# Altium PCB sinking-clock_LED-PCB.PcbDoc (part 2 of 2)
Units mil, origin at the board's own origin, x right, y up, seen from the top; angles counter-clockwise.
Board outline 6158.12 x 3267.72 mil, 2 copper layers (Top Layer, Bottom Layer), stack 61.8 mil thick; 145 components, 146 nets, 488 pads, 172 vias.
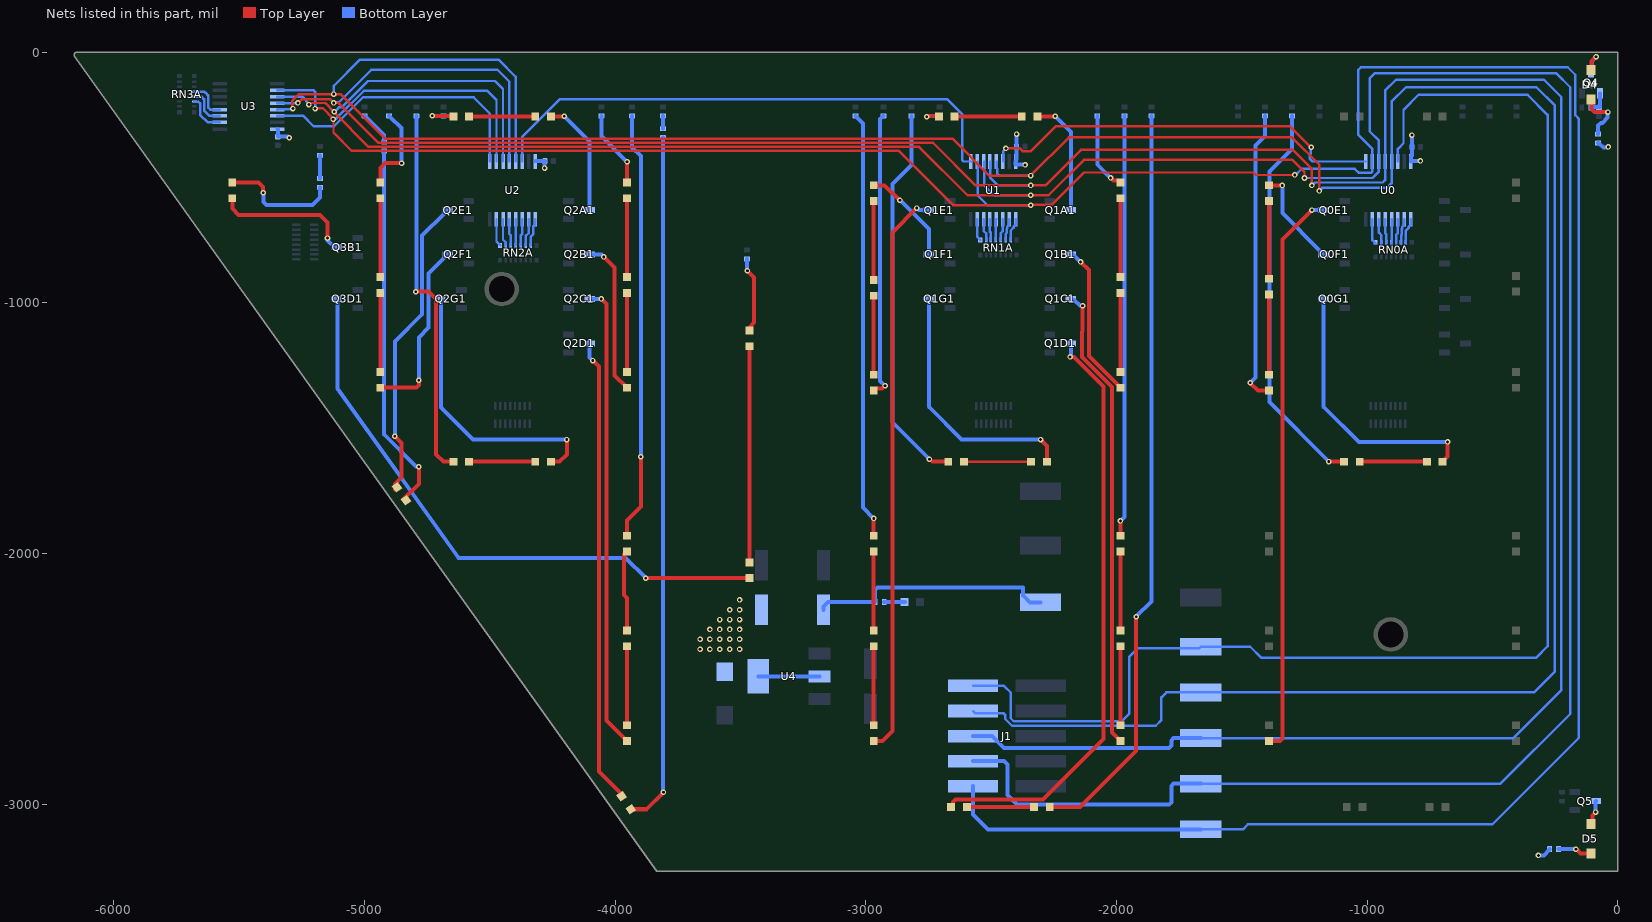
[diagram p2: the nets of this part, all layers, seen from the top]

## Via types
v1: diameter 22, hole 11, Top Layer to Bottom Layer, tented both sides, 172 vias

## Nets (pads, with @x,y where several pads share a name; then routed paths per layer and width w, separated by ;. In a path a pad name is that pad's centre, name@x,y a point inside that pad or via, vN(x,y) a via of type N, cw(c..) or ccw(c..) an arc to the next point about the centre after c; other vN are vias at no path point) (continued)
NetD0E3_2: D0E3.2 Q0E1.3 | length 2260.4
  Top Layer w16: D0E3.2@-1390.94,-2748.03 -1347.96,-2748.03 -1338.58,-2738.66 -1338.58,-748.03 v1(-1220.47,-629.92)
  Bottom Layer w16: v1(-1220.47,-629.92) Q0E1.3@-1174.02,-629.92
NetD0F1_1: D0F1.1 R0F2.1 | length 1177.6
  Top Layer w16: v1(-1466.54,-1318.9) -1435.59,-1349.84 D0F1.1@-1390.94,-1349.84
  Bottom Layer w16: v1(-1466.54,-1318.9) -1445,-1297.36 -1445,-372.17 -1407.48,-334.65 R0F2.1@-1407.48,-254.13
NetD0F1_2: D0F1.2 D0F2.1 | length 320.1
  Top Layer w16: D0F1.2@-1390.94,-1286.85 D0F2.1@-1390.94,-966.77
NetD0F2_2: D0F2.2 D0F3.1 | length 309.8
  Top Layer w16: D0F2.2@-1390.94,-903.78 D0F3.1@-1390.94,-593.93
NetD0F3_2: D0F3.2 Q0F1.3 | length 401.9
  Top Layer w16: D0F3.2@-1390.94,-530.94 -1390.66,-531.22 -1338.86,-531.22 v1(-1338.58,-531.5)
  Bottom Layer w16: v1(-1338.58,-531.5) -1338.58,-642.52 -1187.47,-793.63 -1187.47,-803.08 -1183.46,-807.09 Q0F1.3@-1174.02,-807.09
NetD0G1_1: D0G1.1 R0G2.1 | length 1575.6
  Top Layer w16: v1(-1153.23,-1633.34) -1152.97,-1633.6 -1092.97,-1633.6 D0G1.1@-1092.71,-1633.86
  Bottom Layer w16: R0G2.1@-1299.21,-254.13 -1299.21,-386.17 -1390,-476.96 -1390,-1395.43 -1153.23,-1632.2 v1(-1153.23,-1633.34)
NetD0G1_2: D0G1.2 D0G2.1 | length 267.7
  Top Layer w16: D0G1.2@-1029.72,-1633.86 D0G2.1@-762,-1633.86
NetD0G2_2: D0G2.2 Q0G1.3 | length 1070.4
  Top Layer w16: D0G2.2@-699.01,-1633.86 -679.13,-1613.98 v1(-679.13,-1555.12)
  Bottom Layer w16: Q0G1.3@-1174.02,-984.25 -1174.02,-1414.57 -1033.46,-1555.12 v1(-679.13,-1555.12)
NetD1A1_1: D1A1.1 R1A2.1 | length 101.8
  Top Layer w16: v1(-2757.16,-257.52) -2755.53,-257.52 -2753.04,-255.02 -2709.55,-255.02 D1A1.1@-2708.66,-255.91
  Bottom Layer w16: v1(-2757.16,-257.52) -2755.53,-257.52 -2752.15,-254.13 R1A2.1@-2706.69,-254.13
NetD1A1_2: D1A1.2 D1A2.1 | length 267.7
  Top Layer w16: D1A1.2@-2645.67,-255.91 D1A2.1@-2377.95,-255.91
NetD1A2_2: D1A2.2 Q1A1.3 | length 470.5
  Top Layer w16: D1A2.2@-2314.96,-255.91 v1(-2244.09,-255.91)
  Bottom Layer w16: v1(-2244.09,-255.91) -2182.28,-317.72 Q1A1.3@-2182.28,-629.92
NetD1B1_1: D1B1.1 R1B2.1 | length 316.5
  Top Layer w16: v1(-2023.62,-501.92) -2022,-501.92 -2011.98,-511.94 -1992,-511.94 D1B1.1@-1984.25,-519.69
  Bottom Layer w16: R1B2.1@-2076.77,-254.13 -2076.77,-448.77 v1(-2023.62,-501.92)
NetD1B1_2: D1B1.2 D1B2.1 | length 315
  Top Layer w16: D1B2.1@-1984.25,-897.64 D1B1.2@-1984.25,-582.68
NetD1B2_2: D1B2.2 D1B3.1 | length 315
  Top Layer w16: D1B3.1@-1984.25,-1275.59 D1B2.2@-1984.25,-960.63
NetD1B3_2: D1B3.2 Q1B1.3 | length 619.1
  Top Layer w16: v1(-2143.31,-836.61) -2110.42,-869.51 -2110.42,-1212.42 D1B3.2@-1984.25,-1338.58
  Bottom Layer w16: Q1B1.3@-2182.28,-807.09 -2172.83,-807.09 v1(-2143.31,-836.61)
NetD1C1_1: D1C1.1 R1C2.1 | length 1681.5
  Top Layer w16: D1C1.1@-1984.25,-1929.13 v1(-1984.25,-1870.08)
  Bottom Layer w16: v1(-1984.25,-1870.08) -1968.5,-1854.33 R1C2.1@-1968.5,-254.13
NetD1C1_2: D1C1.2 D1C2.1 | length 305.1
  Top Layer w16: D1C2.1@-1984.25,-2303.15 D1C1.2@-1984.25,-1998.03
NetD1C2_2: D1C2.2 D1C3.1 | length 315
  Top Layer w16: D1C3.1@-1984.25,-2685.04 D1C2.2@-1984.25,-2370.08
NetD1C3_2: D1C3.2 Q1C1.3 | length 1859.3
  Top Layer w16: v1(-2135.42,-1011.81) -2135.42,-1113.26 -2138.14,-1115.98 -2138.14,-1215.81 -2021.28,-1332.67 -2017.72,-1336.51 -2017.72,-2714.57 D1C3.2@-1984.25,-2748.03
  Bottom Layer w16: Q1C1.3@-2182.28,-984.25 -2178.28,-988.26 -2168.83,-988.26 -2146.42,-1010.66 -2136.56,-1010.66 v1(-2135.42,-1011.81)
NetD1D1_1: D1D1.1 R1D2.1 | length 2996.5
  Top Layer w16: D1D1.1@-2266.3,-3011.81 -2145.67,-3011.81 -1921.26,-2787.4 v1(-1921.26,-2251.97)
  Bottom Layer w16: v1(-1921.26,-2251.97) -1860.24,-2190.95 R1D2.1@-1860.24,-254.13
NetD1D1_2: D1D1.2 D1D2.1 | length 267.7
  Top Layer w16: D1D2.1@-2597.01,-3011.81 D1D1.2@-2329.3,-3011.81
NetD1D2_2: D1D2.2 Q1D1.3 | length 2372.5
  Top Layer w16: D1D2.2@-2660,-3011.81 -2652.26,-3004.06 -2652.26,-2991.44 -2642.88,-2982.06 -2293.09,-2982.06 -2051.68,-2740.65 -2051.68,-1334.15 -2168.87,-1216.95 -2183.89,-1216.95 v1(-2185.04,-1215.81)
  Bottom Layer w16: v1(-2185.04,-1215.81) -2185.04,-1214.18 -2182.28,-1211.43 Q1D1.3@-2182.28,-1161.42
NetD1E1_1: D1E1.1 R1E2.1 | length 1705.2
  Top Layer w16: D1E1.1@-2968.5,-1929.13 v1(-2968.5,-1860.24)
  Bottom Layer w16: R1E2.1@-3041.34,-254.13 -3011.81,-283.66 -3011.81,-1816.93 v1(-2968.5,-1860.24)
NetD1E1_2: D1E1.2 D1E2.1 | length 295.3
  Top Layer w16: D1E2.1@-2968.5,-2303.15 D1E1.2@-2968.5,-2007.87
NetD1E2_2: D1E2.2 D1E3.1 | length 315
  Top Layer w16: D1E3.1@-2968.5,-2685.04 D1E2.2@-2968.5,-2370.08
NetD1E3_2: D1E3.2 Q1E1.3 | length 2269.3
  Top Layer w16: D1E3.2@-2968.5,-2748.03 -2933.07,-2748.03 -2893.7,-2708.66 -2893.7,-718.5 v1(-2797.28,-622.09)
  Bottom Layer w16: v1(-2797.28,-622.09) -2795.66,-622.09 -2787.82,-629.92 Q1E1.3@-2748.82,-629.92
NetD1F1_1: D1F1.1 R1F2.1 | length 1144.7
  Top Layer w16: D1F1.1@-2968.5,-1349.84 -2960.76,-1342.09 -2936.14,-1342.09 -2924.85,-1330.81 v1(-2923.23,-1330.81)
  Bottom Layer w16: R1F2.1@-2929.79,-254.13 -2931.96,-254.13 -2933.6,-255.78 -2933.6,-257.94 -2942.91,-267.26 -2942.91,-1311.12 v1(-2923.23,-1330.81)
NetD1F1_2: D1F1.2 D1F2.1 | length 315
  Top Layer w16: D1F1.2@-2968.5,-1286.85 D1F2.1@-2968.5,-971.89
NetD1F2_2: D1F2.2 D1F3.1 | length 315
  Top Layer w16: D1F2.2@-2968.5,-908.9 D1F3.1@-2968.5,-593.94
NetD1F3_2: D1F3.2 Q1F1.3 | length 393.3
  Top Layer w16: D1F3.2@-2968.5,-530.94 -2968.23,-531.22 -2925.13,-531.22 -2865.8,-590.55 v1(-2864.17,-590.55)
  Bottom Layer w16: v1(-2864.17,-590.55) -2748.82,-705.91 Q1F1.3@-2748.82,-807.09
NetD1G1_1: D1G1.1 R1G2.1 | length 1541.2
  Top Layer w16: v1(-2746.06,-1624.02) -2744.44,-1624.02 -2734.6,-1633.86 D1G1.1@-2671.26,-1633.86
  Bottom Layer w16: R1G2.1@-2818.24,-254.13 -2818.24,-449.73 -2893.7,-525.19 -2893.7,-1476.38 v1(-2746.06,-1624.02)
NetD1G1_2: D1G1.2 D1G2.1 | length 267.7
  Top Layer w9.84: D1G1.2@-2608.27,-1633.86 D1G2.1@-2340.55,-1633.86
NetD1G2_2: D1G2.2 Q1G1.3 | length 1029.3
  Top Layer w16: v1(-2303.15,-1545.28) -2277.56,-1570.87 D1G2.2@-2277.56,-1633.86
  Bottom Layer w16: Q1G1.3@-2748.82,-984.25 -2748.82,-1414.57 -2618.11,-1545.28 v1(-2303.15,-1545.28)
NetD2A1_1: D2A1.1 R2A2.1 | length 129.1
  Top Layer w16: v1(-4729.54,-254.13) -4728.66,-255.02 -4646.55,-255.02 D2A1.1@-4645.67,-255.91
  Bottom Layer w16: v1(-4729.54,-254.13) R2A2.1@-4685.04,-254.13
NetD2A1_2: D2A1.2 D2A2.1 | length 263.8
  Top Layer w16: D2A1.2@-4582.68,-255.91 D2A2.1@-4318.9,-255.91
NetD2A2_2: D2A2.2 Q2A1.3 | length 469.1
  Top Layer w16: D2A2.2@-4255.91,-255.91 v1(-4202.76,-255.91)
  Bottom Layer w16: v1(-4202.76,-255.91) -4101.57,-357.09 Q2A1.3@-4101.57,-629.92
NetD2B1_1: D2B1.1 R2B2.1 | length 308
  Top Layer w16: D2B1.1@-3952.76,-519.69 v1(-3952.76,-437.62)
  Bottom Layer w16: R2B2.1@-4055.12,-254.13 -4055.12,-335.26 v1(-3952.76,-437.62)
NetD2B1_2: D2B1.2 D2B2.1 | length 315
  Top Layer w16: D2B2.1@-3952.76,-897.64 D2B1.2@-3952.76,-582.68
NetD2B2_2: D2B2.2 D2B3.1 | length 315
  Top Layer w16: D2B3.1@-3952.76,-1275.59 D2B2.2@-3952.76,-960.63
NetD2B3_2: D2B3.2 Q2B1.3 | length 620.4
  Top Layer w16: v1(-4045.28,-816.93) -4002.32,-859.89 -4002.32,-1289.02 D2B3.2@-3952.76,-1338.58
  Bottom Layer w16: Q2B1.3@-4101.57,-807.09 -4055.12,-807.09 v1(-4045.28,-816.93)
NetD2C1_1: D2C1.1 R2C2.1 | length 1712.1
  Top Layer w16: D2C1.1@-3952.76,-1929.13 -3952.76,-1867.77 -3897.64,-1812.65 v1(-3897.64,-1614.17)
  Bottom Layer w16: R2C2.1@-3932.09,-254.13 -3932.09,-379.5 -3897.64,-413.95 v1(-3897.64,-1614.17)
NetD2C1_2: D2C1.2 D2C2.1 | length 325.1
  Top Layer w16: D2C2.1@-3952.76,-2307.09 -3952.76,-2177.6 -3965,-2165.36 -3965,-2004.37 D2C1.2@-3952.76,-1992.13
NetD2C2_2: D2C2.2 D2C3.1 | length 315
  Top Layer w16: D2C3.1@-3952.76,-2685.04 D2C2.2@-3952.76,-2370.08
NetD2C3_2: D2C3.2 Q2C1.3 | length 1852.6
  Top Layer w16: v1(-4055.12,-984.25) -4035.43,-1003.94 -4035.43,-2665.35 D2C3.2@-3952.76,-2748.03
  Bottom Layer w16: Q2C1.3@-4101.57,-984.25 v1(-4055.12,-984.25)
NetD2D1_1: D2D1.1 R2D2.1 | length 2770.8
  Top Layer w16: D2D1.1@-3938.12,-3020.29 -3875.17,-3020.29 v1(-3807.64,-2952.76)
  Bottom Layer w16: R2D2.1@-3809.06,-340.94 -3809.06,-2949.72 -3807.64,-2951.13 v1(-3807.64,-2952.76)
NetD2D1_2: D2D1.2 Q2D1.3 | length 1860
  Top Layer w16: v1(-4088.98,-1230.32) -4064.96,-1254.33 -4064.96,-2868.8 -3974.25,-2959.51 D2D1.2@-3974.25,-2968.69
  Bottom Layer w16: Q2D1.3@-4101.57,-1161.42 -4101.57,-1217.72 v1(-4088.98,-1230.32)
NetD2E1_1: D2E1.1 R2E2.1 | length 1477.6
  Top Layer w16: D2E1.1@-4844.32,-1783.3 -4783.46,-1722.44 v1(-4783.46,-1653.54)
  Bottom Layer w16: R2E2.1@-4921.26,-393.7 -4921.26,-1525.59 -4794.45,-1652.4 -4784.61,-1652.4 v1(-4783.46,-1653.54)
NetD2E1_2: D2E1.2 Q2E1.3 | length 1229.8
  Top Layer w16: D2E1.2@-4878.98,-1744.6 -4879.16,-1744.41 -4879.16,-1722.63 -4852.36,-1695.83 -4852.36,-1559.13 v1(-4878.98,-1532.52)
  Bottom Layer w16: v1(-4878.98,-1532.52) -4878.98,-1154.07 -4770.44,-1045.53 -4770.44,-732.25 -4681.57,-643.38 -4681.57,-633.93 -4677.56,-629.92 Q2E1.3@-4668.11,-629.92
NetD2F1_1: D2F1.1 R2F2.1 | length 364.7
  Top Layer w16: D2F1.1@-4937.01,-519.69 -4937.01,-462.6 -4917.32,-442.91 v1(-4852.36,-442.91) -4852.36,-444.54 v1@-4850.39,-446.51
  Bottom Layer w16: R2F2.1@-4901.57,-254.13 -4899.41,-254.13 -4897.76,-255.78 -4897.76,-257.94 -4852.36,-303.35 v1(-4852.36,-442.91)
NetD2F1_2: D2F1.2 D2F2.1 | length 315
  Top Layer w16: D2F2.1@-4937.01,-897.64 D2F1.2@-4937.01,-582.68
NetD2F2_2: D2F2.2 D2F3.1 | length 315
  Top Layer w16: D2F3.1@-4937.01,-1275.59 D2F2.2@-4937.01,-960.63
NetD2F3_2: D2F3.2 Q2F1.3 | length 727.1
  Top Layer w16: D2F3.2@-4937.01,-1338.58 -4793.31,-1338.58 -4783.46,-1328.74 v1(-4783.46,-1309.06)
  Bottom Layer w16: v1(-4783.46,-1309.06) -4783.46,-1137.72 -4744.09,-1098.35 -4744.09,-883.07 Q2F1.3@-4668.11,-807.09
NetD2G1_1: D2G1.1 R2G2.1 | length 1495.9
  Top Layer w16: v1(-4795.44,-955.32) -4743.91,-955.32 -4714.57,-984.66 -4714.57,-1604.33 -4685.04,-1633.86 D2G1.1@-4645.67,-1633.86
  Bottom Layer w16: v1(-4795.44,-955.32) -4795.44,-953.69 -4793.31,-951.56 R2G2.1@-4793.31,-254.13
NetD2G1_2: D2G1.2 D2G2.1 | length 263.8
  Top Layer w16: D2G1.2@-4582.68,-1633.86 D2G2.1@-4318.9,-1633.86
NetD2G2_2: D2G2.2 Q2G1.3 | length 1118.6
  Top Layer w16: D2G2.2@-4255.91,-1633.86 -4222.44,-1633.86 -4192.91,-1604.33 v1(-4192.91,-1545.28)
  Bottom Layer w16: Q2G1.3@-4695.57,-988.26 -4695.57,-1416.64 -4566.93,-1545.28 v1(-4192.91,-1545.28)
NetD3B1_1: D3B1.1 R3B2.1 | length 475.2
  Top Layer w16: D3B1.1@-5527.56,-519.69 -5423.02,-519.69 -5404.69,-538.01 -5404.69,-559.88 v1(-5403.54,-561.02)
  Bottom Layer w16: v1(-5403.54,-561.02) -5403.54,-597.01 -5390.32,-610.24 -5206.69,-610.24 -5177.17,-580.71 R3B2.1@-5177.17,-539.57
NetD3B1_2: D3B1.2 Q3B1.3 | length 563.2
  Top Layer w16: D3B1.2@-5527.56,-582.68 -5527.56,-624.02 -5501.97,-649.61 -5177.17,-649.61 -5147.64,-679.13 v1(-5147.64,-741.54)
  Bottom Layer w16: v1(-5147.64,-741.54) -5147.64,-750.39 -5120.47,-777.56 Q3B1.3@-5111.02,-777.56
NetD3D1_1: D3D1.1 R3D2.1 | length 293.3
  Top Layer w16: v1(-3472.37,-872.29) -3445.31,-899.35 -3445.31,-1078.99 D3D1.1@-3464.57,-1098.25
  Bottom Layer w16: R3D2.1@-3474.51,-825 -3474.51,-868.52 -3472.37,-870.66 v1(-3472.37,-872.29)
NetD3D1_2: D3D1.2 D3D2.1 | length 862.2
  Top Layer w16: D3D2.1@-3464.57,-2035.43 D3D1.2@-3464.57,-1173.23
NetD3D2_2: D3D2.2 Q3D1.3 | length 2383.9
  Top Layer w16: v1(-3877.95,-2098.43) -3466.53,-2098.42 D3D2.2@-3464.57,-2096.46
  Bottom Layer w16: Q3D1.3@-5111.02,-984.25 -5108.27,-987.01 -5108.27,-1340.18 -4624.79,-2017.72 -3958.66,-2017.72 v1(-3877.95,-2098.43)
NetD4_1: D4.1 R6.2 | length 216.4
  Top Layer w16: D4.1@-107.08,-188.98 -105.24,-190.82 -105.24,-226.38 -92.56,-239.06 v1(-39.66,-239.06)
  Bottom Layer w16: R6.2@-78.74,-326.57 -78.74,-292.93 -67.57,-281.76 -61.3,-281.76 -40.81,-261.26 -40.81,-240.21 v1(-39.66,-239.06)
NetD4_2: D4.2 Q4.3 | length 131.6
  Top Layer w16: D4.2@-107.08,-70.87 -105.24,-69.02 -105.24,-36.55 v1(-86.61,-17.93)
  Bottom Layer w16: Q4.3@-106.3,-79.92 -102.29,-75.91 -102.29,-35.23 -86.61,-19.55 v1(-86.61,-17.93)
NetD5_1: D5.1 R7.2 | length 136.3
  Top Layer w16: v1(-167.32,-3179.53) -165.7,-3179.53 -148.7,-3196.53 -107.4,-3196.53 D5.1@-107.08,-3196.85
  Bottom Layer w16: R7.2@-236.22,-3179.53 v1(-167.32,-3179.53)
NetD5_2: D5.2 Q5.3 | length 98.5
  Top Layer w16: D5.2@-107.08,-3078.74 -100.97,-3072.63 -100.97,-3045.51 -88.58,-3033.12 v1(-88.58,-3031.5)
  Bottom Layer w16: v1(-88.58,-3031.5) -88.19,-3031.1 -88.19,-2988.58 Q5.3@-87.8,-2988.19
NetD6_1: D6.1 R8.1 | length 82.3
  Bottom Layer w16: R8.1@-2926.77,-2192.91 D6.1@-2844.49,-2192.91
NetQ4_1: Q4.1 R9.2 R10.2 | length 92.9
  Bottom Layer w16: R10.2@-108.07,-220.47 -108.07,-219.54 -106.43,-217.89 R9.2@-75.94,-217.89 ; R9.2@-75.94,-218.8 -72.13,-218.8 -72.13,-211.28 -70.28,-209.42 Q4.1@-70.28,-164.17
NetR2D1_1: R2D1.1 R2D2.2 | length 51
  Bottom Layer w16: R2D2.2@-3809.06,-305.12 R2D1.1@-3809.06,-254.13
NetR2E1_1: R2E1.1 R2E2.2 | length 137.6
  Bottom Layer w16: R2E1.1@-5000,-254.13 -4997.83,-254.13 -4921.26,-330.71 R2E2.2@-4921.26,-357.87
NetR3B1_1: R3B1.1 R3B2.2 | length 92.1
  Bottom Layer w16: R3B2.2@-5177.17,-503.74 R3B1.1@-5177.17,-411.61
NetRN0A_9: RN0A.9 U0.7 | length 102.9
  Bottom Layer w9.84: U0.7@-979.35,-666.18 -979.35,-749.85 -966.8,-762.4 RN0A.9@-966.8,-763.87
NetRN0A_10: RN0A.10 U0.6 | length 101.7
  Bottom Layer w9.84: U0.6@-953.35,-666.18 -953.35,-719.84 -943.69,-729.5 RN0A.10@-943.69,-763.87
NetRN0A_11: RN0A.11 U0.5 | length 99.5
  Bottom Layer w9.84: U0.5@-928.35,-666.18 -928.35,-722.43 -924.01,-726.78 RN0A.11@-924.01,-763.87
NetRN0A_12: RN0A.12 U0.4 | length 98.5
  Bottom Layer w9.84: RN0A.12@-904.32,-763.87 -904.32,-758.95 -902.35,-756.98 U0.4@-902.35,-666.18
NetRN0A_13: RN0A.13 U0.3 | length 100.7
  Bottom Layer w9.84: RN0A.13@-884.64,-763.87 -884.64,-728.25 -877.35,-720.96 U0.3@-877.35,-666.18
NetRN0A_14: RN0A.14 U0.2 | length 103.3
  Bottom Layer w9.84: RN0A.14@-864.95,-763.87 -864.95,-731.41 -861.51,-727.96 -861.51,-705.38 -859.43,-703.3 -859.43,-696.26 -851.35,-688.18 U0.2@-851.35,-666.18
NetRN0A_15: RN0A.15 U0.1 | length 106.1
  Bottom Layer w9.84: RN0A.15@-845.27,-763.87 -845.27,-711.54 -833.43,-699.7 -833.43,-696.03 -827.67,-690.26 -827.43,-690.26 -825.35,-688.18 U0.1@-825.35,-666.18
NetRN1A_9: RN1A.9 U1.7 | length 89.1
  Bottom Layer w9.84: U1.7@-2556.13,-666.18 -2556.13,-736.06 -2543.57,-748.61 RN1A.9@-2543.57,-750.08
NetRN1A_10: RN1A.10 U1.6 | length 87.9
  Bottom Layer w9.84: U1.6@-2530.13,-666.18 -2530.13,-712.94 -2520.46,-722.6 RN1A.10@-2520.46,-750.08
NetRN1A_11: RN1A.11 U1.5 | length 85.7
  Bottom Layer w9.84: U1.5@-2505.13,-666.18 -2505.13,-715.54 -2500.78,-719.88 RN1A.11@-2500.78,-750.08
NetRN1A_12: RN1A.12 U1.4 | length 84.7
  Bottom Layer w9.84: RN1A.12@-2481.09,-750.08 -2481.09,-668.15 U1.4@-2479.13,-666.18
NetRN1A_13: RN1A.13 U1.3 | length 86.9
  Bottom Layer w9.84: RN1A.13@-2461.41,-750.08 -2461.41,-721.35 -2454.13,-714.07 U1.3@-2454.13,-666.18
NetRN1A_14: RN1A.14 U1.2 | length 89.5
  Bottom Layer w9.84: RN1A.14@-2441.72,-750.08 -2441.72,-724.51 -2438.28,-721.07 -2438.28,-705.38 -2436.2,-703.3 -2436.2,-696.26 -2428.13,-688.18 U1.2@-2428.13,-666.18
NetRN1A_15: RN1A.15 U1.1 | length 92.3
  Bottom Layer w9.84: RN1A.15@-2422.04,-750.08 -2422.04,-711.54 -2410.2,-699.71 -2410.2,-696.03 -2404.44,-690.26 -2404.2,-690.26 -2402.13,-688.18 U1.1@-2402.13,-666.18
NetRN2A_9: RN2A.9 U2.7 | length 110.9
  Bottom Layer w9.84: U2.7@-4473.45,-666.18 -4473.45,-755.07 -4458.93,-769.59 RN2A.9@-4458.93,-771.06
NetRN2A_10: RN2A.10 U2.6 | length 109.7
  Bottom Layer w9.84: U2.6@-4447.45,-666.18 -4447.45,-748.13 -4435.82,-759.76 RN2A.10@-4435.82,-771.06
NetRN2A_11: RN2A.11 U2.5 | length 107.5
  Bottom Layer w9.84: U2.5@-4422.45,-666.18 -4422.45,-725.04 -4416.13,-731.36 RN2A.11@-4416.13,-771.06
NetRN2A_12: RN2A.12 U2.4 | length 104.9
  Bottom Layer w9.84: RN2A.12@-4396.45,-771.06 U2.4@-4396.45,-666.18
NetRN2A_13: RN2A.13 U2.3 | length 107.1
  Bottom Layer w9.84: RN2A.13@-4376.76,-771.06 -4376.76,-730.86 -4371.45,-725.54 U2.3@-4371.45,-666.18
NetRN2A_14: RN2A.14 U2.2 | length 109.7
  Bottom Layer w9.84: RN2A.14@-4357.08,-771.06 -4357.08,-734.02 -4345.45,-722.39 U2.2@-4345.45,-666.18
NetRN2A_15: RN2A.15 U2.1 | length 112.5
  Bottom Layer w9.84: RN2A.15@-4337.39,-771.06 -4337.39,-736.74 -4327.53,-726.87 -4327.53,-696.03 -4321.76,-690.26 -4321.53,-690.26 -4319.45,-688.18 U2.1@-4319.45,-666.18
NetRN3A_12: RN3A.12 U3.4 | length 159.9
  Bottom Layer w10: RN3A.12@-5679.13,-157.48 -5639.76,-157.48 -5634.71,-162.54 -5633.14,-162.54 -5623.59,-172.08 -5623.59,-220.71 -5614.79,-229.51 U3.4@-5577.6,-229.54
NetRN3A_13: RN3A.13 U3.3 | length 159.7
  Bottom Layer w10: RN3A.13@-5679.13,-177.17 -5650.98,-177.17 -5639.59,-188.55 -5639.59,-233.19 -5618.27,-254.51 U3.3@-5577.6,-254.54
NetRN3A_14: RN3A.14 U3.2 | length 162.7
  Bottom Layer w10: RN3A.14@-5679.13,-196.85 -5679.06,-196.93 -5663.27,-196.93 -5655.59,-204.61 -5655.59,-249.92 -5624.98,-280.54 U3.2@-5577.6,-280.54
NetU0_9: U0.9 U1.14 | length 1634.3
  Top Layer w9.84: v1(-2440.94,-383.86) -2385.19,-383.86 -2373.11,-395.94 -2342.36,-395.94 -2241.42,-295 -1309.89,-295 -1225.99,-378.9 v1(-1222.7,-378.9)
  Bottom Layer w9.84: U1.14@-2452.16,-436.18 -2452.16,-395.24 -2440.94,-384.03 v1(-2440.94,-383.86) ; v1(-1222.7,-378.9) -1225.02,-381.23 -1225.02,-404.64 -1229.97,-409.59 -1229.97,-423.57 -1217.36,-436.18 U0.9@-1005.35,-436.18
NetU1_9: U1.9 U2.14 | length 2162.2
  Bottom Layer w9.84: U2.14@-4371.45,-436.18 -4371.45,-338.98 -4219.48,-187.01 -2675.69,-187.01 -2615.87,-246.83 -2615.87,-430.42 -2610.11,-436.18 U1.9@-2580.16,-436.18
NetU2_9: U2.9 U3.14 | length 1132
  Bottom Layer w9.84: U3.14@-5347.6,-254.54 -5346.02,-252.95 -5245.56,-252.95 -5203.02,-295.49 -5121.46,-295.49 -5005.97,-180 -4565.05,-180 -4499.45,-245.6 U2.9@-4499.45,-436.18
SHIFT_DATA_CLK: J1.8 TP6.1 U0.11 U1.11 U2.11 U3.11 | length 12432.5
  Top Layer w9.84: v1(-5221.52,-208.93) -5218.23,-208.93 -5212.15,-202.85 -5156.13,-202.85 v1(-5120.98,-238) ; v1@-5122.34,-239.36 -4983.85,-377.86 -2787.14,-377.86 -2594.13,-570.87 v1(-2342.37,-570.87) -2270.87,-570.87 -2130,-430 -1298.19,-430 -1250,-478.19 v1(-1250,-501.97)
  Bottom Layer w9.84: U3.11@-5347.6,-178.54 -5245.61,-178.54 -5233.1,-191.04 -5233.1,-194.05 -5221.52,-205.64 v1(-5221.52,-208.93) ; v1(-5120.98,-238) -5119.8,-238 -5102.17,-220.37 -5091.15,-220.37 -4985.78,-115 -4480,-115 -4447.45,-147.55 U2.11@-4447.45,-436.18 ; U1.11@-2528.16,-436.18 -2528.05,-436.29 -2528.05,-531.12 -2488.3,-570.87 v1(-2342.37,-570.87) ; TP6.1@-1663.39,-2918.31 -468.31,-2918.31 -190,-2640 -190,-140 -245,-85 -970,-85 -990,-105 -990,-315.67 -953.35,-352.31 -953.35,-476.72 -978.6,-501.97 v1(-1250,-501.97)
  Bottom Layer w16: J1.8@-2572.01,-2828.35 -2449.76,-2828.35 -2435.49,-2842.62 -2435.49,-2962.6 -2396.12,-3001.97 -1791.09,-3001.97 -1781.5,-2992.38 -1781.5,-2927.68 -1772.12,-2918.31 TP6.1@-1663.39,-2918.31
SHIFT_DATA_IN: J1.2 TP3.1 U0.14 | length 5671.2
  Bottom Layer w9.84: J1.2@-2572.01,-2528.35 -2448.82,-2528.35 -2422.01,-2555.15 -2422.01,-2657.46 -2409.84,-2669.64 -1980.66,-2669.64 -1948.82,-2637.8 -1948.82,-2411.42 -1916.13,-2378.72 -1670.06,-2378.72 TP3.1@-1663.39,-2372.05 -1466.54,-2372.05 -1423.58,-2415 -325,-2415 -280,-2370 -280,-250 -360,-170 -795,-170 -855,-230 -855,-363.44 -877.35,-385.8 U0.14@-877.35,-436.18
SHIFT_MCLR: J1.10 TP7.1 U0.10 U1.10 U2.10 U3.10 | length 12698.5
  Top Layer w9.84: v1(-5197.31,-224.77) -5195.89,-223.36 -5166.62,-223.36 -5125.3,-264.68 v1(-5125.3,-267.41) ; v1@-5124.12,-265.86 -5123.75,-265.86 -5123.75,-320.81 -5050.86,-393.7 -2868.44,-393.7 -2651.91,-610.24 v1(-2342.52,-610.24) -2341.84,-609.56 -2259.56,-609.56 -2130,-480 -1453.13,-480 -1443.16,-489.97 v1(-1289.37,-489.97)
  Bottom Layer w9.84: U3.10@-5347.6,-152.54 -5203.07,-152.54 -5197.31,-158.3 v1(-5197.31,-224.77) ; v1(-5125.3,-267.41) -5122.97,-265.08 -5113.46,-265.08 -5003.01,-154.63 -4509.82,-154.63 -4473.45,-191 U2.10@-4473.45,-436.18 ; U1.10@-2554.16,-436.18 -2554.05,-436.29 -2554.05,-570.87 -2514.17,-610.74 -2388.73,-610.74 -2388.22,-610.24 v1(-2342.52,-610.24) ; TP7.1@-1663.39,-3100.39 -1496.06,-3100.39 -1475.67,-3080 -500,-3080 -155,-2735 -155,-266.26 -170,-251.26 -170,-90 -200,-60 -1025,-60 -1035,-70 -1035,-330.15 -979.35,-385.8 -979.35,-476.07 -985.12,-481.84 -1033.1,-481.84 -1049.94,-465 -1261.11,-465 -1286.08,-489.97 v1(-1289.37,-489.97)
  Bottom Layer w16: J1.10@-2572.01,-2928.35 -2572.01,-3041.34 -2512.95,-3100.39 TP7.1@-1663.39,-3100.39
SHIFT_OUTPUT_EN: J1.4 TP4.1 U0.13 U1.13 U2.13 U3.13 | length 11991.3
  Top Layer w9.84: v1(-5285.43,-225.23) -5287.67,-223 -5287.67,-193.54 -5261.45,-167.32 v1(-5122.61,-167.32) -5095.3,-167.32 -4917.62,-345 -2655,-345 -2507.87,-492.13 v1(-2342.37,-492.13) -2190.24,-340 -1299.13,-340 -1190.94,-448.19 v1(-1190.94,-553.42)
  Bottom Layer w9.84: U3.13@-5347.6,-229.54 -5345.52,-227.46 -5287.66,-227.46 v1(-5285.43,-225.23) ; v1(-5122.61,-167.32) -5122.61,-134.72 -5017.89,-30 -4465,-30 -4396.45,-98.55 U2.13@-4396.45,-436.18 ; J1.4@-2572.01,-2628.35 -2562.37,-2637.98 -2450.19,-2637.98 -2444.42,-2643.75 -2444.42,-2659.18 -2416.59,-2687.01 -1843.5,-2687.01 -1820.87,-2664.37 -1820.87,-2573.82 -1801.18,-2554.13 TP4.1@-1663.39,-2554.13 -334.9,-2554.13 -250.99,-2470.22 -250.99,-213.45 -324.43,-140 -845,-140 -902.35,-197.35 U0.13@-902.35,-436.18 -902.35,-522.35 -921.13,-541.13 -1178.65,-541.13 v1(-1190.94,-553.42) ; U1.13@-2477.16,-436.18 -2477.05,-436.29 -2477.05,-464.06 -2475.08,-466.03 -2475.08,-485.04 -2467.99,-492.13 v1(-2342.37,-492.13)
SHIFT_STORE_CLK: J1.6 TP5.1 U0.12 U1.12 U2.12 U3.12 | length 12011.9
  Top Layer w9.84: v1(-5265.75,-202.62) -5250.13,-187.01 -5138.23,-187.01 v1(-5122.61,-202.62) -5103.24,-202.62 -4943.85,-362.02 -2731.25,-362.02 -2561.77,-531.5 -2283.5,-531.5 -2142,-390 -1296.12,-390 -1220.47,-465.64 v1(-1220.47,-531.5)
  Bottom Layer w9.84: U3.12@-5347.6,-203.54 -5347.14,-203.08 -5266.2,-203.08 v1(-5265.75,-202.62) ; v1(-5122.61,-202.62) -5120.29,-200.3 -5102.89,-200.3 -4972.59,-70 -4470,-70 -4422.45,-117.55 U2.12@-4422.45,-436.18 ; U1.12@-2503.16,-436.18 -2503.16,-460.15 -2503.05,-460.26 -2503.05,-501.95 -2473.5,-531.5 v1(-2342.37,-531.5) ; TP5.1@-1663.39,-2736.22 -416.22,-2736.22 -225,-2545 -225,-180 -295,-110 -885,-110 -928.35,-153.35 U0.12@-928.35,-436.18 -928.35,-510.71 -937.65,-520 -1208.63,-520 -1220.12,-531.5 v1(-1220.47,-531.5)
  Bottom Layer w16: J1.6@-2572.01,-2728.35 -2497.01,-2728.35 -2449.76,-2775.59 -1790.87,-2775.59 -1781.5,-2766.22 -1781.5,-2746.06 -1771.65,-2736.22 TP5.1@-1663.39,-2736.22
VCC: C2.1 C3.1 C4A.2 C4B.2 C4C.2 C4D.1 D1.A R6.1 R7.1 R8.2 TP2.1 U0.16 U1.16 U2.16 U3.16 U4.2 U4.4 | length 1774.6
  Bottom Layer w16: U3.16@-5347.6,-306.54 -5346.52,-306.54 -5345.52,-307.54 -5345.52,-336.41 -5346.02,-336.91 C4D.1@-5345.52,-337.4 -5304.21,-337.4 v1(-5300.03,-341.58) ; U2.16@-4318.37,-434.51 -4318.26,-434.4 -4315.25,-434.4 -4314.96,-434.1 C4C.2@-4280.79,-434.1 -4281.14,-434.45 -4281.14,-462.25 v1(-4281.5,-462.6) ; U4.4@-3429.13,-2490.16 U4.2@-3185.04,-2490.16 ; C2.1@-3169.29,-2224.41 -3169.29,-2210.91 -3151.29,-2192.91 R8.2@-2962.6,-2192.91 -2962.6,-2145.2 -2953.23,-2135.83 -2372.05,-2135.83 -2372.05,-2167.45 -2344.61,-2194.88 TP2.1@-2303.15,-2194.88 ; U1.16@-2402.13,-436.18 -2402.13,-447.65 -2401.13,-448.65 -2366.11,-448.65 v1(-2364.96,-449.8) ; U1.16@-2398.82,-428.38 C4B.2@-2398.82,-376.97 v1(-2398.82,-326.77) ; U0.16@-825.35,-436.18 -825.35,-434.07 -825.35,-416.18 -821.26,-412.09 C4A.2@-821.26,-377.95 v1(-821.26,-330.71) ; U0.16@-825.32,-434.1 v1(-787.4,-434.1) ; v1(-316.8,-3204.72) -295.08,-3204.72 -272.05,-3181.69 R7.1@-272.05,-3179.53 ; R6.1@-78.74,-362.4 -77.09,-364.05 -74.93,-364.05 -57.99,-380.99 -42.44,-380.99 -39.66,-378.2 v1(-38.03,-378.2)
  other v1: -3661.42,-2381.89 -3622.05,-2381.89 -3582.68,-2381.89 -3543.31,-2381.89 -3503.94,-2381.89 -3661.42,-2342.52 -3622.05,-2342.52 -3582.68,-2342.52 -3543.31,-2342.52 -3503.94,-2342.52 -3622.05,-2303.15 -3582.68,-2303.15 -3543.31,-2303.15 -3503.94,-2303.15 -3582.68,-2263.78 -3543.31,-2263.78 -3503.94,-2263.78 -3543.31,-2224.41 -3503.94,-2224.41 -3503.94,-2185.04
pads on no net: D4.M1 D5.M1 RN0A.1 RN0A.16 RN0B.8 RN0B.9 RN1A.1 RN1A.16 RN1B.8 RN1B.9 RN2A.1 RN2A.16 RN2B.8 RN2B.9 RN3A.1 RN3A.2 RN3A.6 RN3A.7 RN3A.8 RN3A.9 RN3A.10 RN3A.11 RN3A.15 RN3A.16 RN3B.1 RN3B.4 RN3B.5 RN3B.6 RN3B.7 RN3B.8 RN3B.9 RN3B.10 RN3B.11 RN3B.12 RN3B.13 RN3B.16 U0.15 U1.15 U2.15 U3.1 U3.5 U3.6 U3.7 U3.9 U3.15

## Polygon pours and split planes (outlines as drawn)
GND on Bottom Layer "Bottom Layer GND" (solid, pour order 31): -3834.65,-3267.72 -6157.48,-15.75 cw(c-6145.67,-11.81) -6149.61,0 0,0 0,-3267.72
+12 on Bottom Layer "Bottom Layer-+12" (solid, pour order 23): -2834.65,-2736.22 -2716.54,-2618.11 -2716.54,-2549.21 -2657.48,-2490.16 -2400,-2490.16 -2400,-2647.64 -2043.24,-2647.64 -2043.24,-2356.36 -2096.46,-2303.15 -2775.59,-2303.15 -2824.8,-2352.36 -2824.8,-2480.31 -2893.7,-2549.21 -2992.13,-2549.21 -3681.1,-2549.21 -3681.1,-2736.22
VCC on Bottom Layer "Bottom Layer VCC" (solid, pour order 27): -3267.72,-2559.06 -3208.66,-2500 -3208.66,-2470.47 -3228.35,-2470.47 -3274.8,-2424.02 -3274.8,-2312.99 -3255.12,-2293.31 -3129.92,-2293.31 -3120.08,-2283.46 -3120.08,-2165.35 -3139.76,-2145.67 -3503.94,-2145.67 -3681.1,-2322.83 -3681.1,-2559.06 -3385.83,-2559.06
VCC on Top Layer "Top Layer VCC" (solid, pour order 34): -3834.65,-3267.72 -6157.48,-15.75 cw(c-6145.67,-11.81) -6149.61,0 0,0 0,-3267.72
GND on Top Layer "Top Layer GND BEEF" (solid, pour order 18): -1820.87,-2962.6 -1801.18,-2942.91 -1801.18,-2263.78 -1820.87,-2244.09 -1881.89,-2244.09 -1899.61,-2261.81 -1899.61,-2942.91 -1879.92,-2962.6
+12 on Top Layer "Top Layer +12" (solid, pour order 28): -3200.79,-3179.13 -3049.37,-3179.13 -3004.09,-3224.41 -330.87,-3224.41 -330.87,-3196.85 -43.46,-2909.45 -43.46,-318.9 -354.49,-7.87 -5027.72,-7.87 -5027.72,-223.36 -4650.68,-223.36 -4614.33,-187.01 -4082.83,-187.01 -4082.83,-226.38 -3767.87,-226.38 -3767.87,-187.01 -3049.37,-187.01 -3049.37,-226.38 -2675.35,-226.38 -2675.35,-187.01 -2094.65,-187.01 -2094.65,-226.38 -1819.06,-226.38 -1819.06,-187.01 -1523.78,-187.01 -1523.78,-226.38 -1159.61,-226.38 -1159.61,-187.01 -628.11,-187.01 -628.11,-226.38 -563.61,-226.38 -271.81,-518.17 -271.81,-2870.08 -437.17,-3035.43 -3039.53,-3035.43 -3039.53,-2566.93 -3041.5,-2568.9 -3200.79,-2568.9 -3200.79,-2818.9 -3200.79,-2842.52

## Silkscreen, mask and mechanical layers (free items; w line width, h text height)
Bottom Overlay:
  drawing of 627 lines, arcs and shapes, not listed
  text "S/N" at -1252.67,-431.09 h150
  text "NOTES" at -1241.5,-1033.81 h150
  text "Sinking Clock - LED PCB / Mk. III / Mark Hofmeister / HofLab, 5/2024" at -2736.65,-1740.83 h118.11
  text "GND" at -2431.1,-1776.47 h78.74
  text "+12V" at -2435.04,-1993 h78.74
  text "GND" at -1356.93,-2204.72 h78.74
  text "<---VCC--->" at -2440.94,-2213.68 h60
  text "SHIFT_DATA_IN" at -1003.94,-2401.57 h78.74
  text "SHIFT_OUTPUT_EN" at -886.26,-2588.58 h78.74
  text "SHIFT_STORE_CLK" at -897.96,-2775.59 h78.74
  text "SHIFT_DATA_CLK" at -935.04,-2955.92 h78.74
  text "BRAIN PCB PWR + DATA" at -2773.55,-3127.47 h78.74 r270
  text "SHIFT_MCLR" at -1103.2,-3139.76 h78.74
Outline:
  the board outline again, w10
Digit Outlines:
  lines w10: -5592.52,-783.46 -5592.52,-472.44 -5474.41,-354.33 -5474.41,-944.88 ; -4087.11,-1692.91 -4183.07,-1692.91 -4645.67,-1692.91 -4753.94,-1692.91 -4822.83,-1624.02 -4734.25,-1535.43 -4645.67,-1535.43 -4171.26,-1535.43 -4082.68,-1535.43 -4000,-1618.11 -4074.8,-1692.91 ; -4005.91,-1777.17 -3976.38,-1747.64 -3868.11,-1639.37 -3868.11,-2903.54 -4005.91,-2765.75 -4005.91,-1776.57 ; -2157.97,-1702.76 -2253.94,-1702.76 -2716.54,-1702.76 -2824.8,-1702.76 -2893.7,-1633.86 -2805.12,-1545.28 -2716.54,-1545.28 -2242.13,-1545.28 -2153.54,-1545.28 -2070.87,-1627.95 -2145.67,-1702.76 ; -2086.61,-482.87 -2086.61,-462.6 -1948.82,-324.8 -1948.82,-1427.76 -1977.76,-1427.76 -2086.61,-1318.9 -2086.61,-482.28 ; -501.97,-473.03 -472.44,-443.5 -364.17,-335.24 -364.17,-1417.91 -393.11,-1417.91 -501.97,-1309.06 -501.97,-472.44 ; -492.13,-1895.28 -462.6,-1865.75 -354.33,-1757.48 -354.33,-2840.16 -383.27,-2840.16 -492.13,-2731.3 -492.13,-1894.69 ; -3858.27,-167.32 -3858.27,-167.32 ; -3858.27,-167.32 -3996.06,-305.12 -4803.15,-305.12 -4832.68,-275.59 -4940.94,-167.32 -3858.27,-167.32 ; -1929.13,-167.32 -1929.13,-167.32 ; -1929.13,-167.32 -3011.81,-167.32 -2903.54,-275.59 -2874.02,-305.12 -2066.93,-305.12 -1929.13,-167.32 ; -344.49,-167.32 -344.49,-167.32 ; -344.49,-167.32 -482.28,-305.12 -1289.37,-305.12 -1318.9,-275.59 -1427.17,-167.32 -344.49,-167.32 ; -5009.84,-1537.72 -5009.84,-364.17 -4955.71,-364.17 -4872.05,-447.83 -4872.05,-1309.06 -4872.05,-1338.58 -4872.05,-1399.92 -5009.84,-1537.72 ; -4015.75,-1358.27 -3936.42,-1437.6 -3877.95,-1437.6 -3877.95,-338.58 -3986.22,-446.85 -3999.31,-459.94 -4015.75,-476.38 -4015.75,-1358.27 ; -3021.65,-1466.54 -2883.86,-1328.74 -2883.86,-472.44 -3001.97,-354.33 -3021.65,-354.33 -3021.65,-1466.54 ; -3011.81,-3061.02 -2874.02,-2923.23 -2066.93,-2923.23 -2037.4,-2952.76 -1929.13,-3061.02 -3011.81,-3061.02 ; -3011.81,-2859.25 -3011.81,-1776.58 -2987.2,-1776.58 -2874.02,-1889.76 -2874.02,-2721.46 -2903.54,-2750.98 -3011.81,-2859.25 ; -2076.77,-2741.14 -2076.77,-1879.92 -2047.24,-1850.39 -1938.98,-1742.13 -1938.98,-2850 -1967.91,-2850 -2076.77,-2741.14 ; -1437.01,-1456.69 -1328.74,-1348.43 -1299.21,-1318.9 -1299.21,-472.44 -1427.17,-344.49 -1437.01,-344.49 -1437.01,-1456.69 ; -1427.17,-3051.18 -344.49,-3051.18 -452.76,-2942.91 -482.28,-2913.39 -1289.37,-2913.39 -1427.17,-3051.18 ; -1427.17,-2849.41 -1318.9,-2741.14 -1289.37,-2711.61 -1289.37,-1870.08 -1392.72,-1766.73 -1427.17,-1766.73 -1427.17,-2849.41 ; -1309.05,-1624.02 -1220.47,-1535.43 -1131.89,-1535.43 -657.48,-1535.43 -568.9,-1535.43 -486.22,-1618.11 -561.02,-1692.91 -573.33,-1692.91 -669.29,-1692.91 -1131.89,-1692.91 -1240.16,-1692.91 -1309.05,-1624.02
Fab Instructions:
  text "sinking-clock_LED-PCB / 1. 2 layers / 2. Copper Thickness: 1 oz  / 3. Dielectric Material: FR4 or HofLabs approved substitute / 4. Plating Finish: HASL lead or HofLabs approved substitute. May upgrade to ENIG if no extra charge. / 5. PCB Thickness: 1.6 mm  / 6. Soldermask Color: White or HofLabs approved substitute / 7. Silkscreen Color: Black or HofLabs approved substitute / 8. Vias are tented" at 551.18,-2188.98 h78.74

## Dimensions
0,-3267.72 to -3834.65,-3267.72 on Mechanical 16
0,0 to 0,-3267.72 on Mechanical 16
0,0 to -6169.29,0 on Mechanical 16

## Text inside footprints (layer, text, board x,y; h text height)
C1: Bottom Overlay "-" at -3010.39,-2364.53 h120 r270; Bottom Overlay "+" at -3005.57,-2734.53 h80 r270
C2: Bottom Overlay "-" at -3197.4,-1970.41 h120 r270; Bottom Overlay "+" at -3192.58,-2340.41 h80 r270
C3: Bottom Overlay "-" at -3443.46,-1970.41 h120 r270; Bottom Overlay "+" at -3438.64,-2340.41 h80 r270